# KiCad board GPDI_ULX3S_panel.kicad_pcb (continued)
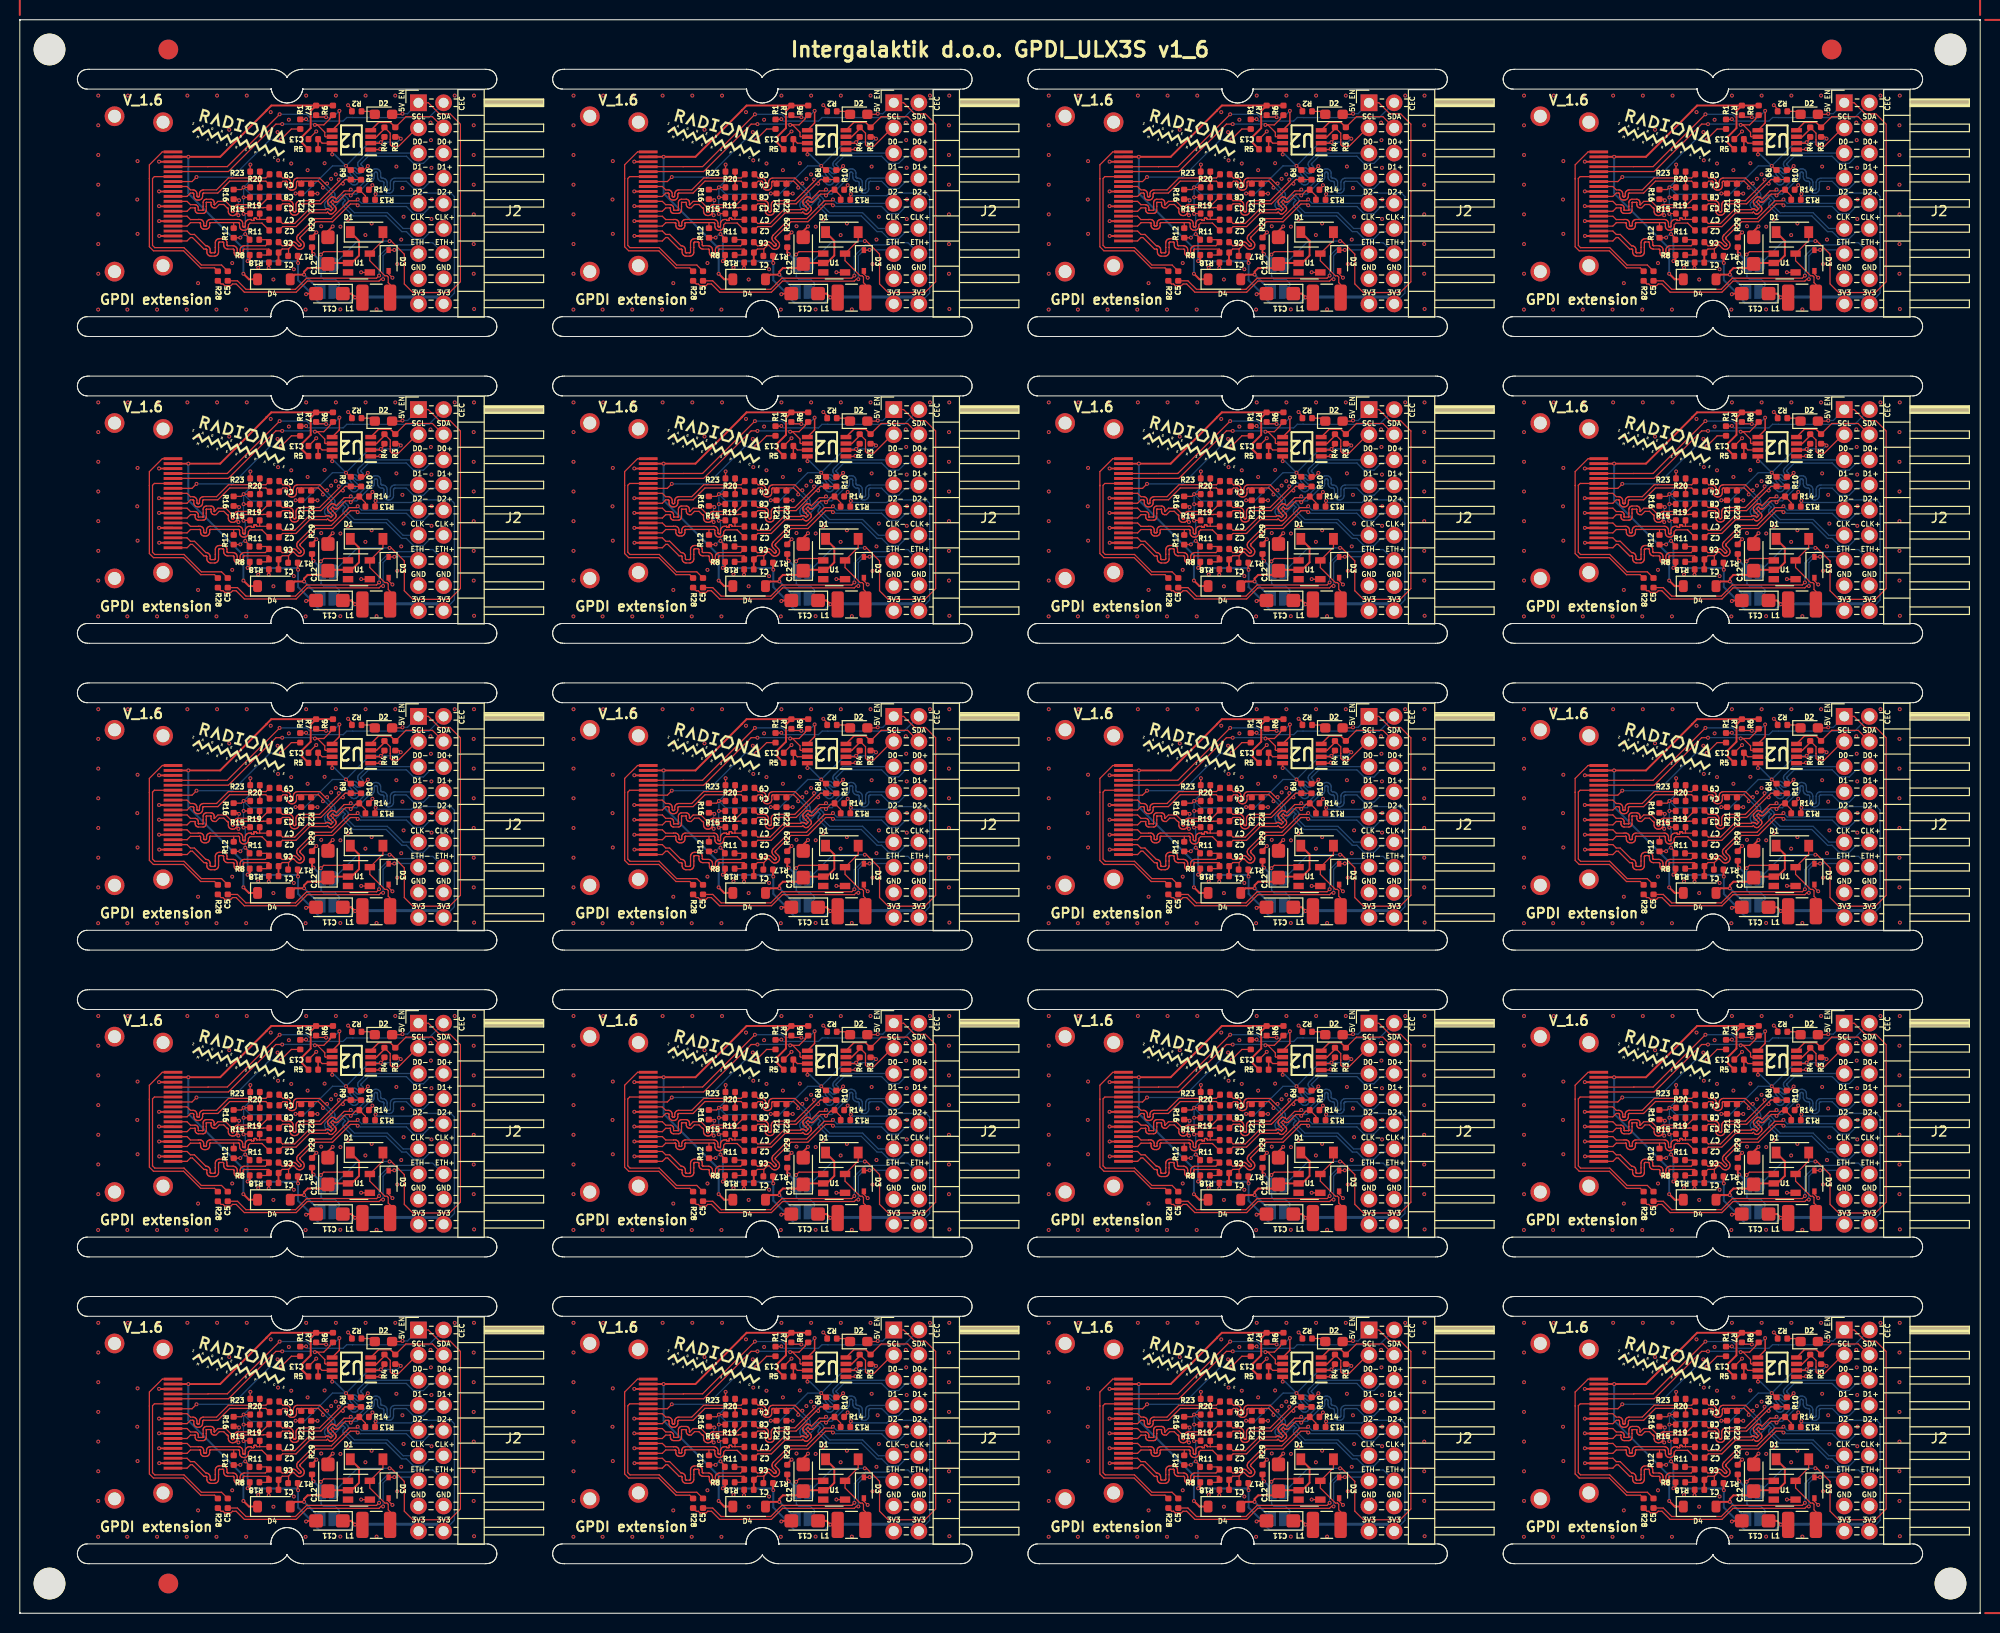
[diagram p0: board, top side]
## Routing (per net, layer and track width the routed paths; a pad name or vN(x,y) marks a point on that pad's centre or on a via; arc(x,y) is an arc through that point) (continued)
Board_11-GPDI_D0+: length 26.3
  Top w0.127: C3#15.1 170.53,80.4 171.15,80.4 171.18,80.4 171.21,80.39 171.24,80.37 171.26,80.35 171.28,80.32 171.29,80.29 171.29,80.26 171.29,79.69 171.3,79.59 171.34,79.5 171.39,79.42 171.46,79.35 171.54,79.3 171.63,79.27 171.73,79.26 171.78,79.26 171.88,79.27 171.97,79.3 172.05,79.35 172.12,79.42 172.17,79.5 172.2,79.59 172.21,79.69 172.21,80.26 172.22,80.29 172.23,80.32 172.24,80.35 172.26,80.37 172.29,80.39 172.32,80.4 172.35,80.4 174.4,80.4 176.44,82.44 v1(176.63,82.44) 176.63,82.63 176.86,82.85 R9#10.2 178.46,82.85 R10#15.1
  Bottom w0.127: J2#12.6 186.48,85.22 185.48,85.22 184.76,84.49 183.76,84.49 183.04,85.22 179.22,85.22 178.47,84.47 178.46,84.46 178.45,84.44 178.45,84.42 178.45,84.4 178.45,84.38 178.46,84.36 178.47,84.35 178.6,84.22 178.66,84.15 178.7,84.07 178.71,83.99 178.71,83.9 178.7,83.82 178.66,83.74 178.6,83.67 178.5,83.57 178.43,83.51 178.35,83.48 178.27,83.46 178.18,83.46 178.1,83.48 178.02,83.51 177.95,83.57 177.82,83.7 177.81,83.71 177.79,83.72 177.77,83.72 177.75,83.72 177.73,83.72 177.71,83.71 177.7,83.7 177.68,83.67 177.66,83.64 177.66,83.61 177.66,83.58 177.66,83.55 177.68,83.52 177.7,83.5 178.11,83.08 178.17,83.01 178.21,82.92 178.24,82.83 178.24,82.73 178.21,82.63 178.17,82.55 178.11,82.47 178.07,82.43 178,82.37 177.91,82.33 177.82,82.31 177.72,82.31 177.62,82.33 177.54,82.37 177.46,82.43 177.05,82.85 177.02,82.87 176.99,82.88 176.96,82.89 176.93,82.89 176.9,82.88 176.87,82.87 176.85,82.85 176.63,82.63 v1(176.63,82.44)
Board_11-GPDI_D0-: length 20.9
  Top w0.127: C8#14.1 170.53,80.72 171.18,80.72 171.28,80.71 171.37,80.68 171.45,80.63 171.52,80.56 171.57,80.48 171.6,80.39 171.61,80.29 171.61,79.72 171.62,79.69 171.63,79.66 171.64,79.63 171.66,79.61 171.69,79.59 171.72,79.58 171.75,79.58 171.78,79.58 171.81,79.59 171.84,79.61 171.86,79.63 171.88,79.66 171.89,79.69 171.89,79.72 171.89,80.29 171.9,80.39 171.94,80.48 171.99,80.56 172.06,80.63 172.14,80.68 172.23,80.71 172.33,80.72 174.27,80.72 176.22,82.67 v1(176.22,82.86)
  Bottom w0.127: v1(176.22,82.86) 176.41,82.86 176.64,83.09 176.72,83.15 176.8,83.19 176.9,83.22 177,83.22 177.09,83.19 177.18,83.15 177.25,83.09 177.67,82.68 177.69,82.66 177.72,82.64 177.75,82.64 177.78,82.64 177.81,82.64 177.84,82.66 177.87,82.68 177.89,82.7 177.9,82.73 177.91,82.76 177.91,82.79 177.9,82.82 177.89,82.85 177.87,82.88 177.45,83.29 177.39,83.37 177.35,83.45 177.33,83.55 177.33,83.65 177.35,83.74 177.39,83.83 177.45,83.9 177.49,83.94 177.56,83.99 177.63,84.03 177.72,84.05 177.8,84.05 177.89,84.03 177.97,83.99 178.03,83.94 178.16,83.81 178.18,83.8 178.2,83.79 178.22,83.78 178.24,83.78 178.26,83.79 178.28,83.8 178.29,83.81 178.36,83.88 178.37,83.9 178.38,83.91 178.39,83.93 178.39,83.95 178.38,83.97 178.37,83.99 178.36,84.01 178.23,84.14 178.18,84.21 178.14,84.28 178.12,84.37 178.12,84.45 178.14,84.54 178.18,84.62 178.23,84.68 179.08,85.53 J2#12.5
Board_11-GPDI_D1+: length 26.6
  Top w0.127: R13#10.2 178.91,81.21 R14#18.1 178.19,81.74 177.91,81.74 v1(177.42,81.25) 177.29,81.39 176.89,81.39 176.16,80.66 176.1,80.61 176.04,80.59 175.98,80.57 175.91,80.57 175.85,80.59 175.78,80.61 175.73,80.66 175.61,80.78 175.41,80.58 175.63,80.36 175.62,80.35 175.86,80.11 175.9,80.06 175.93,79.99 175.95,79.93 175.95,79.86 175.93,79.8 175.9,79.74 175.86,79.68 175.63,79.46 175.58,79.42 175.52,79.39 175.46,79.37 175.39,79.37 175.32,79.39 175.26,79.42 175.21,79.46 175.08,79.58 174.99,79.49 173.29,79.49 171.9,78.1 170.54,78.1 C2#14.1
  Bottom w0.127: v1(177.42,81.25) 177.56,81.39 178.03,81.39 179.31,82.68 179.34,82.68 179.44,82.69 179.54,82.72 179.62,82.78 179.7,82.85 179.75,82.93 179.78,83.03 179.8,83.13 179.8,83.45 179.8,83.49 179.81,83.53 179.83,83.56 179.86,83.58 179.89,83.6 179.92,83.62 179.96,83.62 180,83.62 180.03,83.6 180.06,83.58 180.09,83.56 180.11,83.53 180.12,83.49 180.13,83.45 180.13,83.13 180.14,83.03 180.17,82.93 180.23,82.85 180.3,82.78 180.38,82.72 180.48,82.69 180.58,82.68 180.61,82.68 180.65,82.67 180.68,82.66 180.71,82.64 180.74,82.61 180.76,82.58 180.77,82.55 180.78,82.51 180.78,81.94 180.79,81.84 180.82,81.74 180.88,81.65 180.95,81.58 181.03,81.53 181.13,81.49 181.23,81.48 181.29,81.48 181.39,81.49 181.49,81.53 181.57,81.58 181.65,81.65 181.7,81.74 181.73,81.84 181.75,81.94 181.75,82.51 181.75,82.55 181.76,82.58 181.78,82.61 181.81,82.64 181.84,82.66 181.87,82.67 181.91,82.68 183.04,82.68 183.76,81.95 184.76,81.95 185.48,82.68 186.48,82.68 186.8,83
Board_11-GPDI_D1-: length 21
  Top w0.127: C7#13.1 170.54,78.42 171.77,78.42 173.16,79.81 174.86,79.81 174.87,79.82 174.92,79.86 174.98,79.89 175.05,79.91 175.12,79.91 175.18,79.89 175.24,79.86 175.3,79.82 175.42,79.7 175.62,79.9 175.4,80.12 175.41,80.13 175.17,80.37 175.13,80.42 175.1,80.48 175.08,80.55 175.08,80.62 175.1,80.68 175.13,80.74 175.17,80.79 175.39,81.02 175.45,81.06 175.51,81.09 175.57,81.11 175.64,81.11 175.71,81.09 175.77,81.06 175.82,81.02 175.94,80.89 176.76,81.71 177.29,81.71 v1(177.42,81.85)
  Bottom w0.127: 184.26,83 181.88,83 181.78,82.98 181.68,82.95 181.6,82.9 181.53,82.82 181.47,82.74 181.44,82.64 181.43,82.54 181.43,81.97 181.42,81.93 181.41,81.89 181.39,81.86 181.36,81.84 181.33,81.82 181.3,81.8 181.26,81.8 181.22,81.8 181.19,81.82 181.16,81.84 181.13,81.86 181.11,81.89 181.1,81.93 181.1,81.97 181.1,82.54 181.08,82.64 181.05,82.74 181,82.82 180.92,82.9 180.84,82.95 180.74,82.98 180.64,83 180.61,83 180.57,83 180.54,83.01 180.51,83.03 180.48,83.06 180.46,83.09 180.45,83.12 180.45,83.16 180.45,83.48 180.43,83.58 180.4,83.68 180.35,83.77 180.27,83.84 180.19,83.89 180.09,83.93 179.99,83.94 179.93,83.94 179.83,83.93 179.73,83.89 179.65,83.84 179.58,83.77 179.52,83.68 179.49,83.58 179.48,83.48 179.48,83.16 179.47,83.12 179.46,83.09 179.44,83.06 179.41,83.03 179.38,83.01 179.35,83 179.31,83 179.18,83 177.89,81.71 177.56,81.71 v1(177.42,81.85)
Board_11-GPDI_D2+: length 22.7
  Top w0.127: 171.14,75.84 170.5,75.84 C1#15.1 ; 171.14,75.84 171.14,75.19 R17#2.2 ; 171.14,75.84 171.49,76.19 171.51,76.21 171.54,76.22 171.57,76.23 171.6,76.23 171.63,76.22 171.66,76.21 171.69,76.19 171.95,75.92 172.03,75.86 172.12,75.82 172.21,75.79 172.31,75.79 172.4,75.82 172.49,75.86 172.57,75.92 172.6,75.96 172.67,76.03 172.71,76.12 172.73,76.21 172.73,76.31 172.71,76.41 172.67,76.49 172.6,76.57 172.34,76.84 172.32,76.86 172.3,76.89 172.3,76.92 172.3,76.95 172.3,76.98 172.32,77.01 172.34,77.04 173.89,78.59 175.59,78.59 177.39,80.39 177.99,80.39 v1(178.12,80.25)
  Top w0.2: R18#15.1 170.13,75.47 C1#15.1
  Bottom w0.127: J2#12.10 186.48,80.14 185.48,80.14 184.76,79.41 183.76,79.41 183.04,80.14 178.38,80.14 178.27,80.25 v1(178.12,80.25)
Board_11-GPDI_D2-: length 17.8
  Top w0.127: C6#20.1 170.5,76.16 171.01,76.16 171.28,76.43 171.36,76.49 171.44,76.53 171.54,76.56 171.64,76.56 171.73,76.53 171.82,76.49 171.89,76.43 172.16,76.16 172.19,76.14 172.21,76.13 172.25,76.12 172.28,76.12 172.31,76.13 172.34,76.14 172.36,76.16 172.38,76.19 172.39,76.22 172.4,76.25 172.4,76.28 172.39,76.31 172.38,76.34 172.36,76.36 172.09,76.63 172.03,76.71 171.99,76.79 171.97,76.89 171.97,76.98 171.99,77.08 172.03,77.17 172.09,77.24 173.76,78.91 175.46,78.91 177.26,80.71 177.99,80.71 v1(178.12,80.85)
  Bottom w0.127: J2#12.9 178.52,80.45 v1(178.12,80.85)
Board_11-GPDI_ETH+: length 25.7
  Top w0.127: v1(180.29,73.15) 180.03,72.89 172.97,72.89 171.84,71.77 166.84,71.77 165.98,72.62 C5#5.1
  Bottom w0.127: v1(180.29,73.15) 180.29,75.13 181.41,76.25 183.65,76.25 183.87,76.47 185.71,76.47 J2#12.14
Board_11-GPDI_ETH-: length 24.8
  Top w0.127: v1(181.82,75.75) 181.8,75.72 D3#7.1 ; v1(180.69,72.79) 180.48,72.79 180.29,72.6 173.03,72.6 171.91,71.48 166.68,71.48 165.85,72.31 165.48,72.31 165.31,72.14 164.69,72.14 164.52,72.31 164.32,72.31 R28#19.2
  Bottom w0.127: v1(180.69,72.79) 180.69,72.79 180.69,75.16 181.27,75.75 v1(181.82,75.75) 183.89,75.75 J2#12.13
Board_11-GPDI_SCL: length 21.1
  Top w0.127: v1(170.5,88.46) 169.86,88.46 165.07,83.67 159.48,83.67 P1#8.15 ; U2#5.6 174.87,87.18 174.8,87.25 174.8,87.63 174.05,88.38 v1(173.8,88.38) 174.7,88.38 175.32,89 175.32,89.06 R6#7.2
  Bottom w0.127: v1(173.8,88.38) 173.71,88.47 170.51,88.47 v1(170.5,88.46)
Board_11-GPDI_SDA: length 22.8
  Top w0.127: R7#5.2 174.11,89.18 174.91,89.18 v1(174.93,89.16) ; P1#8.16 163.01,84.15 163.02,84.17 164.96,84.17 v1(170.24,89.45)
  Top w0.15: U2#5.5 176.27,88.57 v1(176.27,89.8)
  Bottom w0.127: v1(176.27,89.8) 175.58,89.1 174.99,89.1 v1(174.93,89.16) 174.92,89.17 173.25,89.17 172.97,89.45 v1(170.24,89.45)
Board_11-Net-(D1-A): length 8.1
  Top w0.127: D1#10.2 180.67,76.7 U1#17.5 179.35,74.66 180.87,73.13 181.08,73.13 181.21,73.01 181.21,72.44 181.4,72.25 L1#5.2
Board_11-Net-(D1-K): length 13.2
  Top w0.2: D4#17.2 171.78,73.25 v1(172.71,73.25) 172.71,73.55 173.07,73.91 174.7,73.91 C12#11.1 175.22,74.42 U1#17.2 177.51,74.42 178.26,75.18 178.26,76.66 D1#10.1
  Bottom w0.2: v1(172.71,73.25) 174.37,71.59 JP2#11.1
Board_11-Net-(D2-K): length 1.5
  Top w0.127: R2#9.1 179.55,89.75 D2.1
Board_11-Net-(U2-VREF2): length 2.6
  Top w0.127: U2#5.7 174.53,86.53 C13#14.1
  Top w0.15: R5#4.2 C13#14.1
Board_11-PMOD_SCL: length 8.1
  Top w0.127: R4#18.2 181.41,87.55 181.41,86.88 181.41,86.88 181.41,86.38 181.59,86.21 182.25,86.21 184.11,88.08 184.26,88.08 183.88,87.69
  Top w0.15: R4#18.2 180.82,87.98 180.03,87.18 U2#5.3
Board_11-PMOD_SDA: length 8.8
  Top w0.127: 186.8,88.08 185.67,89.21 183,89.21 R3#15.2
  Top w0.15: U2#5.4 180.24,88.63 181.43,88.63 R3#15.2
Board_12-5V_ENABLE: length 54.8
  Top w0.127: 39.8,59.15 J2#14.1 41.26,59.62 42.39,58.49 43.46,58.49 44.5,57.45 44.5,41.53 43.41,40.44 39.7,40.44 38.83,41.31 38.83,44.32 37.51,45.64 v1(37.34,45.64) ; v1(38.65,58.51) 38.59,58.45 D2#14.2 ; U1#2.1 32.96,44.57 30.7,44.57 v1(30.41,44.28)
  Top w0.2: v1(29.66,44.33) 29.51,44.48 R29#9.1
  Bottom w0.127: J2#14.1 39.16,58.51 v1(38.65,58.51) ; v1(37.34,45.64) 34.12,45.64 JP1#13.1 ; JP2#12.2 32.26,41.13 32.26,41.39 31.86,41.79 30.68,41.79 30.44,42.03 30.43,42.03 30.43,43.25 JP1#13.2 30.42,44 30.41,44.01 v1(30.41,44.28)
  Bottom w0.2: v1(29.66,44.33) 30.42,43.57 JP1#13.2
  Bottom w0.5: JP1#13.2 JP1#13.1
Board_12-+3V3: length 87.4
  Top w0.127: R12#9.1 22.26,45.97 v1(22.27,45.99) ; v1(32.94,53.24) 33.36,52.82 R9#15.1 ; R15#17.1 22.62,48.42 v1(22.59,48.39) ; v1(38.47,55.99) 38.3,56.16 R3#16.1 ; v1(22.77,46.35) 23.21,45.91 R11#12.1 ; v1(23.29,53.37) 23.27,53.35 R23#12.1 ; R4#17.1 36.82,55.99 v1(36.47,55.63) ; R13#14.1 35.88,50.33 v1(35.93,50.38) ; R16#4.1 22.38,50.85 v1(22.6,51.07) R20#11.1 ; v1(33.86,39.95) 33.88,39.93 L1#12.1 ; v1(27.85,50.45) R21#2.1 ; R19#14.1 v1(22.6,50.06)
  Top w0.15: U2#8.8 31.54,54.41 v1(31.55,54.4) ; U2#8.2 36.37,55.53 v1(36.47,55.63)
  Top w0.2: C11#8.1 33.48,40.33 v1(33.86,39.95) ; v1(23.01,43.62) 23.23,43.84 R8#11.1 ; v1(28.1,43.43) 28.07,43.46 R17#14.1
  Bottom w0.127: v1(22.6,51.07) 23.29,51.75 v1(23.29,53.37) ; v1(22.6,51.07) 23.3,50.37 27.77,50.37 v1(27.85,50.45) 28.79,50.45 31.58,53.24 v1(32.94,53.24) 35.34,55.63 v1(36.47,55.63) 38.12,55.63 v1(38.47,55.99) ; v1(22.6,51.07) v1(22.6,50.06) 22.59,50.05 v1(22.59,48.39) 22.77,48.22 v1(22.77,46.35) 22.63,46.35 v1(22.27,45.99) ; v1(35.93,50.38) 36.08,50.23 39.57,50.23 39.83,50.5 43.54,50.5 43.89,50.14 43.89,40.38 J2#14.18
  Bottom w0.15: v1(31.55,54.4) 31.78,54.4 v1(32.94,53.24)
  Bottom w0.2: v1(33.86,39.95) 33.32,39.41 30.24,39.41 29.65,40 29.65,40.14 28.1,41.68 v1(28.1,43.43) 27.93,43.6 23.03,43.6 v1(23.01,43.62) 23.01,46.11 v1(22.77,46.35)
  Bottom w0.3: J2#14.18 42.11,39.99 33.9,39.99 v1(33.86,39.95)
Board_12-+5V: length 39.3
  Top w0.2: R5#12.1 28.53,55.55 28.53,56.2 29.38,57.06 29.38,58.79 R7#18.1 ; R6#13.1 R7#18.1 ; R7#18.1 25.4,59.34 24.92,58.85 24.92,58.83 20.24,54.15 v1(17.02,54.15) P1#17.18 ; v1(22.58,42.34) 23.14,41.78 D4#5.1
  Bottom w0.2: v1(22.58,42.34) 22.58,44.9 17.02,50.46 v1(17.02,54.15)
Board_12-/CEC: length 15.1
  Top w0.127: v1(17.85,52.11) 17.39,51.65 P1#17.13 ; v1(26.37,55.91) 27.43,56.97 R1#8.1
  Bottom w0.127: v1(26.37,55.91) 25.28,55.91 21.48,52.11 v1(17.85,52.11)
Board_12-/CLK+: length 12.1
  Top w0.127: C4#18.2 24.85,51.7 21.2,51.7 20,50.5 18.58,50.5 18.55,50.49 18.53,50.48 18.51,50.47 18.49,50.45 18.48,50.43 18.47,50.4 18.46,50.38 18.46,50.19 18.45,50.1 18.42,50.02 18.37,49.94 18.31,49.87 18.23,49.82 18.14,49.79 18.05,49.78 17.98,49.78 17.89,49.79 17.8,49.82 17.73,49.87 17.66,49.94 17.61,50.02 17.58,50.1 17.57,50.19 17.57,50.38 17.57,50.4 17.56,50.43 17.55,50.45 17.53,50.47 17.51,50.48 17.48,50.49 17.45,50.5 17.24,50.5 16.89,50.15 P1#17.10
  Top w0.15: R20#11.2 24.24,51.66
Board_12-/CLK-: length 12.2
  Top w0.127: 24.26,52.02 24.24,52.03 R23#12.2 ; 24.26,52.02 24.85,52.02 C9#8.2 ; 24.26,52.02 21.07,52.02 19.87,50.81 18.56,50.81 18.46,50.8 18.38,50.77 18.3,50.72 18.23,50.66 18.19,50.58 18.16,50.49 18.14,50.4 18.14,50.22 18.14,50.19 18.13,50.17 18.12,50.15 18.1,50.13 18.08,50.11 18.05,50.1 18.03,50.1 18.01,50.1 17.98,50.1 17.96,50.11 17.93,50.13 17.92,50.15 17.9,50.17 17.89,50.19 17.89,50.22 17.89,50.4 17.88,50.49 17.85,50.58 17.8,50.66 17.74,50.72 17.66,50.77 17.57,50.8 17.48,50.81 17.24,50.81 16.89,51.15 P1#17.12
Board_12-/D0+: length 15.7
  Top w0.127: C3#16.2 24.59,49.03 24.57,49.01 22.66,49.01 22.63,49 22.6,48.99 22.58,48.98 22.56,48.96 22.54,48.93 22.53,48.91 22.53,48.88 22.53,48.87 22.53,48.84 22.52,48.82 22.5,48.79 22.48,48.77 22.46,48.76 22.43,48.75 22.4,48.75 22.37,48.75 22.35,48.76 22.32,48.77 22.3,48.79 22.29,48.82 22.28,48.84 22.28,48.87 22.28,48.88 22.27,48.91 22.26,48.93 22.25,48.96 22.23,48.98 22.2,48.99 22.18,49 22.15,49.01 22.08,49.01 22.05,49 22.02,48.99 22,48.98 21.98,48.96 21.96,48.93 21.95,48.91 21.95,48.88 21.95,48.64 21.94,48.55 21.91,48.46 21.86,48.38 ; P1#17.7 16.89,48.65 17.24,49 17.67,49 17.68,48.99 17.69,48.99 17.7,48.99 17.7,48.98 17.71,48.97 17.71,48.97 17.71,48.96 17.71,48.78 17.72,48.7 17.75,48.63 17.79,48.57 17.84,48.51 17.9,48.47 17.97,48.45 18.05,48.44 18.49,48.44 18.57,48.45 18.64,48.47 18.7,48.51 18.76,48.57 18.8,48.63 18.82,48.7 18.83,48.78 18.83,49.15 18.83,49.51 18.83,49.52 18.84,49.53 18.84,49.54 18.85,49.54 18.85,49.55 18.86,49.55 18.87,49.55 19.27,49.55 19.28,49.55 19.29,49.55 19.3,49.54 19.3,49.54 19.31,49.53 19.31,49.52 19.31,49.51 19.31,49.33 19.32,49.26 19.35,49.19 19.39,49.12 19.44,49.07 19.5,49.03 19.58,49 19.65,49 19.8,49 20.14,49.34 20.6,49.34 20.93,49.01 20.96,49 20.99,48.99 21.01,48.98 21.03,48.96 21.04,48.93 21.05,48.91 21.06,48.88 21.06,48.64 21.07,48.55 21.1,48.46 21.15,48.38 21.22,48.31 21.3,48.26 21.38,48.23 21.48,48.22 21.53,48.22 21.62,48.23 21.71,48.26 21.79,48.31 21.86,48.38 ; R16#4.2 22.03,49.88 v1(22.15,49.76) ; 21.86,48.38 21.95,48.38 v1(22.08,48.25)
  Bottom w0.127: v1(22.08,48.25) 22.08,49.7 v1(22.15,49.76)
Board_12-/D0-: length 14.1
  Top w0.127: 25.13,50.06 C8#18.2 24.39,49.33 22.05,49.33 21.96,49.31 21.87,49.28 21.79,49.23 21.72,49.17 21.67,49.09 21.64,49 21.63,48.91 21.63,48.67 21.63,48.64 21.62,48.61 21.6,48.59 21.58,48.57 21.56,48.55 21.53,48.54 21.5,48.54 21.48,48.54 21.45,48.55 21.42,48.57 21.4,48.59 21.39,48.61 21.38,48.64 21.38,48.67 21.38,48.91 21.37,49 21.33,49.09 21.28,49.17 20.8,49.65 20.01,49.65 19.67,49.31 19.66,49.32 19.65,49.32 19.65,49.32 19.64,49.33 19.64,49.34 19.63,49.34 19.63,49.35 19.63,49.53 19.62,49.61 19.6,49.68 19.56,49.74 19.51,49.8 19.44,49.84 19.37,49.86 19.29,49.87 18.85,49.87 18.78,49.86 18.7,49.84 18.64,49.8 18.59,49.74 18.55,49.68 18.52,49.61 18.51,49.53 18.51,49.15 18.51,49.15 18.51,48.8 18.51,48.79 18.51,48.78 18.5,48.77 18.5,48.77 18.49,48.76 18.48,48.76 18.47,48.76 18.07,48.76 18.06,48.76 18.05,48.76 18.05,48.77 18.04,48.77 18.03,48.78 18.03,48.79 18.03,48.8 18.03,48.98 18.02,49.05 18,49.12 17.96,49.19 17.9,49.24 17.84,49.28 17.77,49.31 17.69,49.31 17.24,49.31 16.89,49.65 P1#17.9
  Top w0.15: 24.2,49.33 24.22,49.34 R19#14.2
Board_12-/D1+: length 12.6
  Top w0.127: C2#10.2 24.45,47.46 23.26,47.46 23.09,47.29 23.09,47.15 23.08,47.05 23.05,46.97 23,46.89 22.93,46.82 22.85,46.77 22.76,46.74 22.67,46.73 22.62,46.73 22.52,46.74 22.44,46.77 22.36,46.82 22.29,46.89 22.24,46.97 22.21,47.05 22.2,47.15 22.2,47.38 22.19,47.41 22.18,47.43 22.17,47.46 22.15,47.48 22.13,47.49 22.1,47.5 22.07,47.51 19.27,47.51 19.25,47.5 19.23,47.5 19.21,47.49 19.19,47.47 19.18,47.45 19.18,47.43 19.17,47.41 19.17,47.23 19.16,47.14 19.14,47.06 19.09,46.99 19.03,46.93 18.95,46.88 18.87,46.85 18.79,46.84 18.64,46.84 18.56,46.85 18.48,46.88 18.4,46.93 18.34,46.99 18.29,47.06 18.27,47.14 18.26,47.23 18.26,47.41 18.25,47.43 18.25,47.45 18.24,47.47 18.22,47.49 18.2,47.5 18.18,47.5 18.16,47.51 18.15,47.5 17.24,47.5 16.89,47.15 P1#17.4 ; 21.6,46.94 21.6,47.49
Board_12-/D1-: length 12.8
  Top w0.127: C7#17.2 25.16,47.83 24.23,47.83 ; 24.23,47.83 R15#17.2 ; 24.23,47.83 23.97,47.83 23.95,47.83 23.94,47.83 23.92,47.84 23.91,47.85 23.9,47.87 23.9,47.88 23.9,47.91 23.89,47.93 23.88,47.94 23.87,47.96 23.86,47.96 23.84,47.97 23.82,47.97 23.72,47.97 23.7,47.97 23.68,47.96 23.67,47.96 23.66,47.94 23.65,47.93 23.65,47.91 23.64,47.9 23.64,47.78 23.64,47.76 23.64,47.75 23.63,47.74 23.62,47.74 23.62,47.73 23.6,47.73 23.59,47.73 23.44,47.73 23.43,47.73 23.42,47.73 23.41,47.74 23.4,47.74 23.39,47.75 23.39,47.76 23.39,47.79 23.38,47.8 23.38,47.81 23.37,47.81 23.36,47.82 23.35,47.82 23.34,47.83 23.19,47.83 23.1,47.81 23.01,47.78 22.93,47.73 22.86,47.67 22.81,47.59 22.78,47.5 22.77,47.41 22.77,47.17 22.77,47.15 22.76,47.12 22.74,47.09 22.72,47.07 22.7,47.06 22.67,47.05 22.64,47.05 22.62,47.05 22.59,47.06 22.56,47.07 22.54,47.09 22.53,47.12 22.52,47.15 22.52,47.17 22.52,47.41 22.51,47.5 22.47,47.59 22.42,47.67 22.36,47.73 22.28,47.78 22.19,47.81 22.1,47.83 19.24,47.83 19.16,47.82 19.08,47.79 19,47.74 18.94,47.68 18.89,47.61 18.87,47.52 18.86,47.44 18.86,47.25 18.85,47.23 18.85,47.21 18.84,47.2 18.82,47.18 18.8,47.17 18.78,47.16 18.76,47.16 18.67,47.16 18.65,47.16 18.63,47.17 18.61,47.18 18.59,47.2 18.58,47.21 18.58,47.23 18.57,47.25 18.57,47.44 18.56,47.52 18.54,47.61 18.49,47.68 18.43,47.74 18.35,47.79 18.27,47.82 18.19,47.83 18.03,47.83 18.02,47.81 17.24,47.81 16.89,48.15 P1#17.6
Board_12-/D2+: length 15
  Top w0.127: P1#17.1 16.89,45.65 17.24,46 17.43,46 18.6,44.83 18.78,44.83 18.81,44.83 18.83,44.82 18.85,44.81 18.87,44.79 18.88,44.77 18.89,44.75 18.89,44.73 18.89,44.53 18.9,44.44 18.93,44.35 18.98,44.27 19.05,44.21 19.13,44.16 19.21,44.13 19.31,44.12 19.66,44.12 19.75,44.13 19.84,44.16 19.92,44.21 19.98,44.27 20.03,44.35 20.06,44.44 20.07,44.53 20.07,45 20.07,45 20.07,45.44 20.08,45.47 20.09,45.49 20.1,45.51 20.12,45.53 20.14,45.54 20.16,45.55 20.18,45.55 20.48,45.55 20.51,45.55 20.53,45.54 20.55,45.53 20.57,45.51 20.58,45.49 20.59,45.47 20.59,45.44 20.59,45.25 20.6,45.16 20.63,45.07 20.68,44.99 20.75,44.92 20.83,44.88 20.91,44.84 21.01,44.83 21.56,44.83 21.59,44.82 21.61,44.79 21.63,44.77 21.64,44.74 21.64,44.71 21.64,44.5 21.66,44.4 21.69,44.31 21.74,44.23 21.81,44.16 21.89,44.1 21.98,44.07 22.08,44.06 22.13,44.06 22.23,44.07 22.32,44.1 22.4,44.16 22.47,44.23 22.52,44.31 22.56,44.4 22.57,44.5 22.57,44.71 22.57,44.74 22.58,44.77 22.6,44.79 22.62,44.82 22.65,44.83 25.14,44.83 25.17,44.8 C1#9.2 24.92,44.23 R8#11.2
Board_12-/D2-: length 14.8
  Top w0.127: P1#17.3 16.89,46.65 17.24,46.31 17.64,46.31 18.78,45.17 18.81,45.17 18.9,45.16 18.99,45.13 19.07,45.08 19.13,45.01 19.18,44.93 19.21,44.84 19.22,44.75 19.22,44.56 19.23,44.54 19.23,44.51 19.25,44.49 19.26,44.48 19.29,44.46 19.31,44.45 19.33,44.45 19.63,44.45 19.66,44.45 19.68,44.46 19.7,44.48 19.72,44.49 19.73,44.51 19.74,44.54 19.74,44.56 19.74,45 19.74,45.47 19.75,45.56 19.78,45.65 19.83,45.73 19.9,45.79 19.98,45.84 20.06,45.87 20.16,45.88 20.51,45.88 20.6,45.87 20.69,45.84 20.77,45.79 20.83,45.73 20.88,45.65 20.91,45.56 20.92,45.47 20.92,45.27 20.93,45.25 20.94,45.23 20.95,45.21 20.97,45.19 20.99,45.18 21.01,45.17 21.03,45.17 21.53,45.17 21.63,45.16 21.72,45.12 21.8,45.07 21.87,45 21.92,44.92 21.95,44.83 21.96,44.73 21.96,44.52 21.97,44.49 21.98,44.46 21.99,44.43 22.02,44.41 22.04,44.39 22.07,44.38 22.11,44.38 22.14,44.38 22.17,44.39 22.19,44.41 22.22,44.43 22.23,44.46 22.24,44.49 22.25,44.52 22.25,44.73 22.26,44.83 22.29,44.92 22.34,45 22.41,45.07 22.49,45.12 22.59,45.16 22.68,45.17 24.8,45.17 C6#5.2 24.91,45.78 R11#12.2
Board_12-/ETH+: length 17.6
  Top w0.127: C5#14.2 20.38,43.22 18.34,43.22 16.58,44.98 13.63,44.98 13.4,45.2 13.4,51.97 13.59,52.15 P1#17.14
Board_12-/ETH-: length 19.2
  Top w0.127: R28#14.1 19.67,42.93 18.27,42.93 16.54,44.66 13.5,44.66 13.09,45.07 13.09,51.93 ; 13.09,51.93 13.09,53.35 14.39,54.65 P1#17.19 ; 13.09,51.93 13.09,51.97
Board_12-GND: length 17.5
  Top w0.127: v1(35.61,51.29) 35.61,51.19 R14#7.2 ; R2#14.2 33.54,58.98 v1(33.15,59.37) ; C13#17.2 29.94,56.72 v1(29.94,56.72) ; D3#15.2 37.25,42.32 v1(37.63,41.94) ; v1(30.07,50.44) 30.07,50.44 R22#19.2 ; v1(35.15,53.22) 34.75,52.82 R10.2 ; U1#2.4 34.49,42.47 v1(34.47,42.49)
  Top w0.15: U2#8.1 36.35,54.88 v1(36.4,54.94)
  Top w0.2: v1(25.14,42.93) 25.16,42.94 R18.2 ; v1(14.06,50.66) 14.07,50.65 P1#17.11 ; v1(14.06,53.67) 14.07,53.65 P1#17.17 ; v1(29.95,46.52) 29.51,46.08 R29#9.2 ; P1#17.8 14.08,49.15 v1(14.06,49.18) ; v1(28.91,40.27) 28.97,40.33 C11#8.2 ; P1#17.5 14.08,47.65 v1(14.07,47.66) ; v1(14.08,46.16) 14.08,46.15 P1#17.2 ; C12#5.2 31.12,46.64 v1(31.6,47.12)
  In1.Cu w0.5: 40.38,41.72 J2#14.15
  vias: v1(7.92,60.34) v1(7.92,57.34) v1(7.92,54.34) v1(7.92,51.34) v1(7.92,48.34) v1(7.92,45.34) v1(7.92,42.34) v1(7.91,38.72) v1(10.92,60.34) v1(10.86,38.72) v1(11.89,53.72) v1(11.86,49.84) v1(11.89,46.37) v1(13.92,60.34) v1(13.86,38.72) v1(16.92,60.34) v1(16.86,38.72) v1(18.02,56.97) v1(18,41.39) v1(19.92,60.34) v1(19.86,38.72) v1(21.15,56.89) v1(21.45,43.42) v1(22.92,60.34) v1(22.86,38.72) v1(24.08,42.94) v1(25.34,58.67) v1(25.61,41.76) v1(26.03,56.65) v1(26.08,53.8) v1(27.17,57.9) v1(27.41,53.48) v1(27.68,42.79) v1(28.92,60.34) v1(28.86,38.72) v1(29.07,52.81) v1(30.44,47.14) v1(30.78,53.51) v1(31.44,51.93) v1(31.92,60.34) v1(31.91,52.38) v1(32.38,47.1) v1(32.37,38.74) v1(33.14,47.81) v1(34.92,60.34) v1(34.9,46.25) v1(35.53,47.42) v1(36.03,38.74) v1(37.92,60.34) v1(38.03,53.17) v1(38.12,43.32) v1(38.52,45.79) v1(38.64,51) v1(38.76,48.1) v1(41.48,57.61) v1(41.52,55.84) v1(41.57,53.05) v1(41.6,49.85) v1(41.58,47.87) v1(43.92,60.34) v1(45.84,57.34) v1(45.84,54.34) v1(45.84,51.34) v1(45.84,48.34) v1(45.84,45.34) v1(45.84,42.34) v1(45.87,60.34) v1(45.88,38.78)
Board_12-GPDI_CEC: length 15.3
  Top w0.127: v1(28.91,57.96) 28.89,57.94 R1#8.2
  Bottom w0.127: v1(28.91,57.96) 29.1,57.77 32.66,57.77 33.02,58.13 33.6,58.13 33.61,58.12 41.31,58.12 J2#14.2
Board_12-GPDI_CLK+: length 24.8
  Top w0.127: 28.45,51.69 29.43,51.69 ; 28.45,51.69 28.09,51.69 28.06,51.69 28.03,51.68 28,51.66 27.98,51.64 27.96,51.61 27.95,51.58 27.95,51.55 27.95,51.22 27.94,51.12 27.9,51.03 27.85,50.95 27.78,50.88 27.7,50.83 27.61,50.8 27.51,50.79 27.46,50.79 27.36,50.8 27.27,50.83 27.19,50.88 27.12,50.95 27.07,51.03 27.04,51.12 27.03,51.22 27.03,51.55 27.02,51.58 27.01,51.61 27,51.64 26.97,51.66 26.95,51.68 26.92,51.69 26.89,51.69 26.57,51.69 C4#18.1 ; 28.45,51.69 28.42,51.67 R21#2.2 ; 29.43,51.69 30.16,51.69 30.62,51.23 v1(30.62,51.04) ; 29.43,51.69 R22#19.1
  Bottom w0.127: J2#14.12 42.48,46.6 41.48,46.6 40.76,45.87 39.76,45.87 39.04,46.6 38.58,46.6 36.99,48.19 33.66,48.19 32.73,49.12 32.68,49.18 32.65,49.25 32.63,49.32 32.63,49.39 32.65,49.47 32.68,49.53 32.73,49.59 32.85,49.72 32.86,49.72 32.86,49.73 32.86,49.74 32.86,49.75 32.86,49.75 32.86,49.76 32.85,49.77 32.67,49.95 32.66,49.96 32.65,49.96 32.65,49.96 32.64,49.96 32.63,49.96 32.63,49.96 32.62,49.95 31.59,48.93 31.51,48.86 31.42,48.82 31.32,48.8 31.22,48.8 31.12,48.82 31.03,48.86 30.95,48.93 30.91,48.97 30.85,49.05 30.8,49.14 30.78,49.24 30.78,49.34 30.8,49.44 30.85,49.53 30.91,49.61 31.46,50.16 31.48,50.19 31.5,50.22 31.5,50.26 31.5,50.29 31.5,50.33 31.48,50.36 31.46,50.39 30.81,51.04 v1(30.62,51.04)
Board_12-GPDI_CLK-: length 21
  Top w0.127: C9#8.1 26.57,52.01 26.91,52.01 27.01,52 27.1,51.97 27.18,51.92 27.25,51.85 27.3,51.77 27.34,51.68 27.35,51.58 27.35,51.25 27.35,51.21 27.36,51.18 27.38,51.16 27.4,51.14 27.43,51.12 27.46,51.11 27.49,51.1 27.52,51.11 27.55,51.12 27.57,51.14 27.6,51.16 27.61,51.18 27.62,51.21 27.63,51.25 27.63,51.58 27.64,51.68 27.67,51.77 27.72,51.85 27.79,51.92 27.87,51.97 27.96,52 28.06,52.01 30.29,52.01 30.84,51.46 v1(31.03,51.46)
  Bottom w0.127: J2#14.11 38.71,46.91 37.12,48.51 33.79,48.51 32.97,49.33 32.96,49.34 32.96,49.35 32.96,49.35 32.96,49.36 32.96,49.37 32.96,49.37 32.97,49.38 33.09,49.51 33.14,49.57 33.17,49.63 33.19,49.71 33.19,49.78 33.17,49.85 33.14,49.92 33.09,49.98 32.88,50.19 32.82,50.24 32.75,50.27 32.68,50.29 32.61,50.29 32.53,50.27 32.47,50.24 32.41,50.19 31.39,49.17 31.36,49.15 31.33,49.13 31.29,49.13 31.25,49.13 31.22,49.13 31.18,49.15 31.15,49.17 31.13,49.2 31.12,49.24 31.11,49.27 31.11,49.31 31.12,49.34 31.13,49.38 31.15,49.41 31.7,49.95 31.77,50.03 31.81,50.13 31.83,50.23 31.83,50.33 31.81,50.43 31.77,50.52 31.7,50.6 31.03,51.27 v1(31.03,51.46)
Board_12-GPDI_D0+: length 26.3
  Top w0.127: R10.1 34.46,51.85 R9#15.2 32.86,51.85 32.63,51.63 v1(32.63,51.44) 32.44,51.44 30.4,49.4 28.35,49.4 28.32,49.4 28.29,49.39 28.26,49.37 28.24,49.35 28.23,49.32 28.22,49.29 28.21,49.26 28.21,48.69 28.2,48.59 28.17,48.5 28.12,48.42 28.05,48.35 27.97,48.3 27.88,48.27 27.78,48.26 27.73,48.26 27.63,48.27 27.54,48.3 27.46,48.35 27.39,48.42 27.34,48.5 27.3,48.59 27.29,48.69 27.29,49.26 27.29,49.29 27.28,49.32 27.26,49.35 27.24,49.37 27.21,49.39 27.18,49.4 27.15,49.4 26.53,49.4 C3#16.1